# Altium PCB PCB_ZU.PcbDoc
Units mm, origin at the board's own origin, x right, y up, seen from the top; angles counter-clockwise.
Board outline 100 x 70 mm, 2 copper layers (Top Layer, Bottom Layer); 89 components, 59 nets, 275 pads, 343 vias.
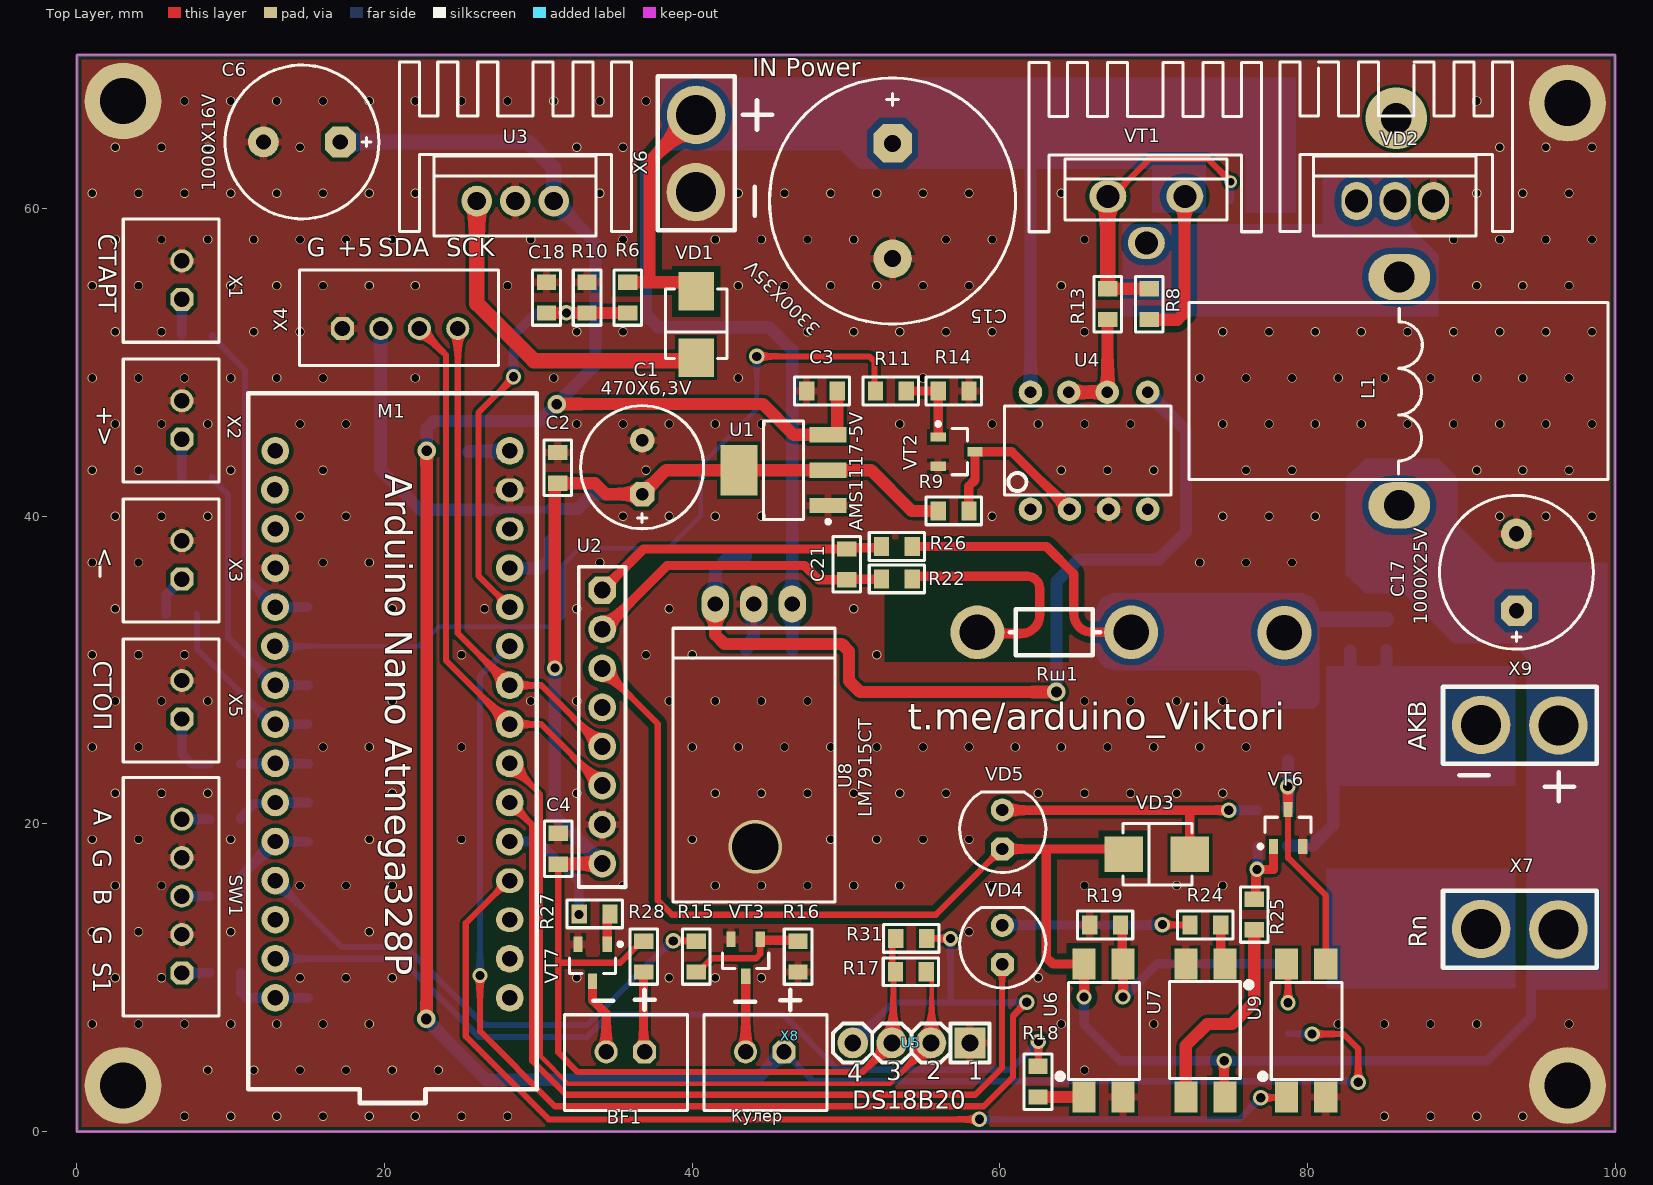
[diagram p0: Top Layer view]
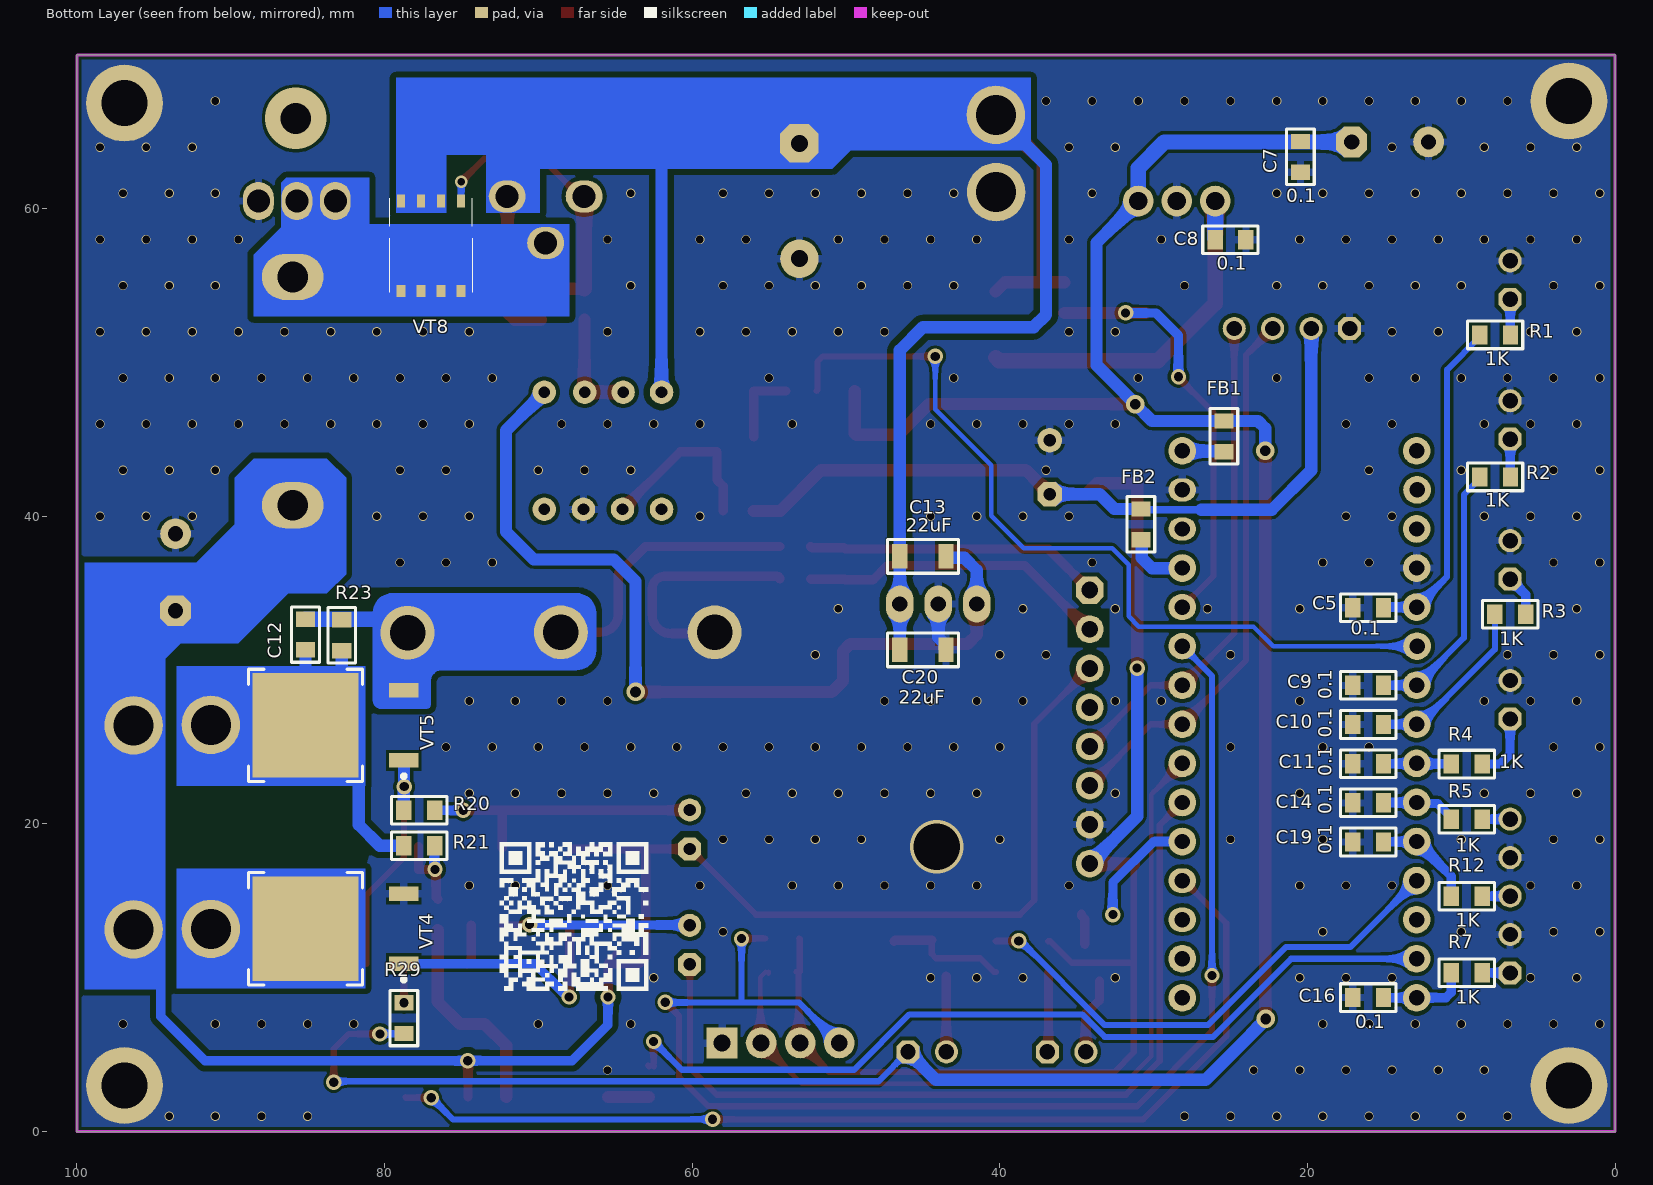
[diagram p1: Bottom Layer view, seen from below]
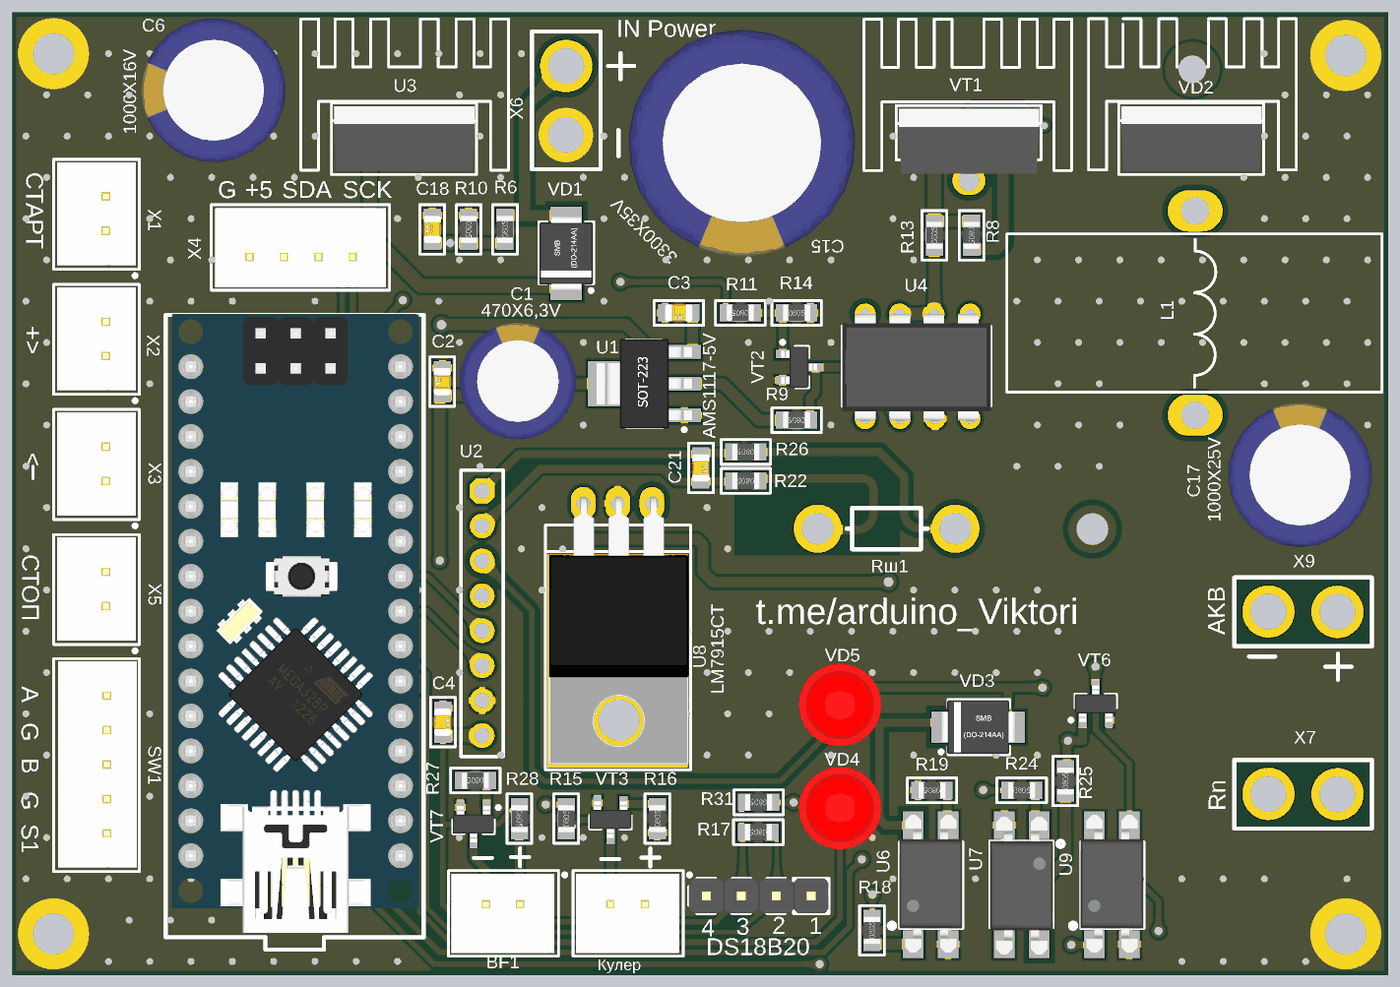
[diagram p2: 3D render of the assembled board from above, using the file's embedded part models]
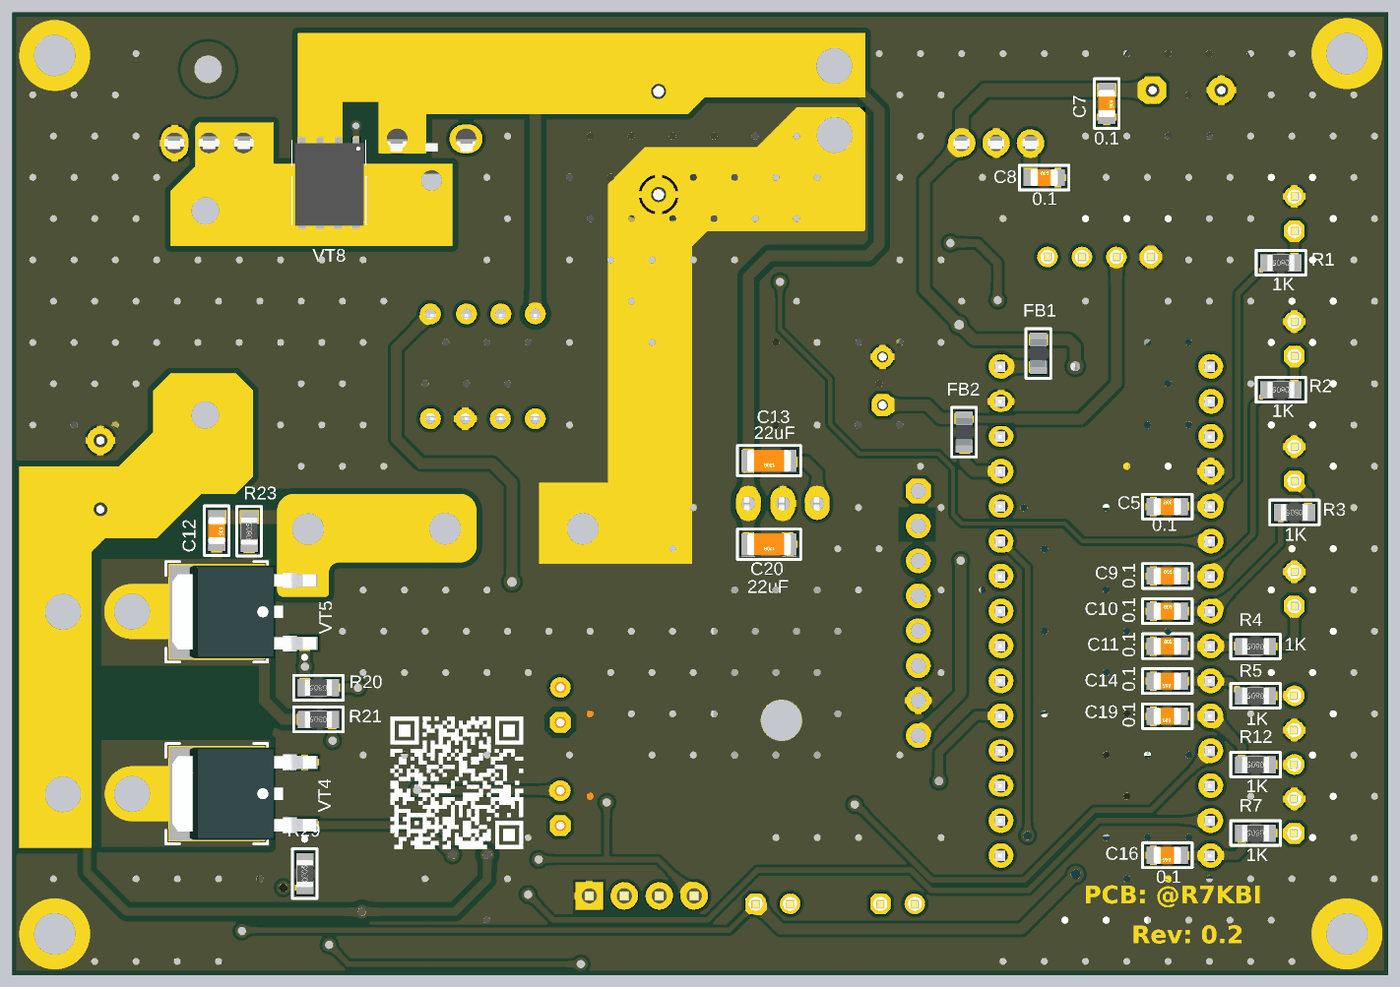
[diagram p3: 3D render of the assembled board from below, using the file's embedded part models]

## Layer stack, top to bottom
Top Solder: solder mask 0.0102, Solder Resist, Dk 3.5
Top Layer: signal copper 0.0356
Dielectric 1: dielectric 0.32, FR-4, Dk 4.8
Bottom Layer: signal copper 0.0356
Bottom Solder: solder mask 0.0102, Solder Resist, Dk 3.5

## Board outline
0,0 100,0 100,70 0,70

## Design rules (kind name [scope] priority, off if disabled: settings)
BoardOutlineClearance [All] p1: gap=0.3 ignorepadtopadclearanceinfootprint=FALSE
Clearance ZAZOR [InNetClass('ZAZOR')] p1: gap=0.4 ignorepadtopadclearanceinfootprint=FALSE
Clearance POWER [InNetClass('POWER')] p2: gap=0.3 ignorepadtopadclearanceinfootprint=FALSE except(0: Arc-Hole Track-Hole SMDPad-Hole THPad-Hole Via-Hole Fill-Hole Poly-Hole Region-Hole Text-Hole)
Clearance Clearance_NPTH [All vs InPadClass('NPTH')] p3: gap=0.4 ignorepadtopadclearanceinfootprint=FALSE except(0: Arc-Hole Track-Hole SMDPad-Hole THPad-Hole Via-Hole Fill-Hole Poly-Hole Region-Hole Text-Hole)
Clearance Clearance_MultiLayerPad [OnLayer('Multi-Layer') and IsPad] p4: gap=0.25 ignorepadtopadclearanceinfootprint=FALSE except(0: Arc-Hole Track-Hole SMDPad-Hole THPad-Hole Via-Hole Fill-Hole Poly-Hole Region-Hole Text-Hole)
Clearance Clearance_Polygon [InPolygon] p5: gap=0.2 ignorepadtopadclearanceinfootprint=FALSE except(0: Arc-Hole Track-Hole SMDPad-Hole THPad-Hole Via-Hole Fill-Hole Poly-Hole Region-Hole Text-Hole)
Clearance [All] p6: gap=0.15 ignorepadtopadclearanceinfootprint=FALSE except(0: Arc-Hole Track-Hole SMDPad-Hole THPad-Hole Via-Hole Fill-Hole Poly-Hole Region-Hole Text-Hole)
Height [All] p1: minheight=0 maxheight=60 prefheight=12.7
HoleSize [All] p1: absolutevalues=TRUE maxlimit=5 minlimit=0.025 maxpercent=80.000 minpercent=20.000
HoleToHoleClearance [All] p1: gap=0.2 allowstackedmicrovias=TRUE
MinimumSolderMaskSliver [All] p1: minsoldermaskwidth=0.05
PlaneClearance [All] p1: clearance=0.5
PlaneConnect [All] p1: planeconnectstyle=Relief reliefexpansion=0.5 reliefentries=4 reliefconductorwidth=0.3 reliefairgap=0.2
PolygonConnect PolygonConnect_PowerPAD [All vs InPadClass('PowerPAD')] p1: connectstyle=Relief reliefconductorwidth=1 reliefentries=4 polygonreliefangle="90 Angle" airgapwidth=0.3
PolygonConnect PolygonConnect_PadGND [InNet('GND') and IsPad] p2: connectstyle=Relief reliefconductorwidth=0.5 reliefentries=4 polygonreliefangle="90 Angle" airgapwidth=0.2
PolygonConnect PolygonConnect_Via [IsVia] p3: connectstyle=Direct reliefconductorwidth=0.254 reliefentries=4 polygonreliefangle="90 Angle" airgapwidth=0.254
PolygonConnect [All] p4: connectstyle=Relief reliefconductorwidth=0.6 reliefentries=4 polygonreliefangle="90 Angle" airgapwidth=0.3
RoutingVias [All] p1: holewidth=0.3 width=0.7 viastyle="Through Hole" minholewidth=0.3 minwidth=0.6 maxholewidth=3.2 maxwidth=5
SilkToSilkClearance [All] p1: silktosilkclearance=0
SilkToSolderMaskClearance [IsPad] p1: minsilkscreentomaskgap=0.05 clearancetoexposedcopper=FALSE
SolderMaskExpansion [All] p1: expansion=0.075 istentingtop=FALSE
Width [All] p1: maxlimit=10 minlimit=0.15 preferedwidth=0.2
22 further rules are at their usual default settings.

## Classes and differential pairs
net class ZAZOR: Net_D Net_S NetC12_1 NetC12_2 NetVT4_2 VBS

## Components (designator, comment, footprint, x,y, rotation, side; value= is the part's Value field where it differs from the comment)
BF1 "SPEAKER" "CON: CWF-2" 35.658,5.186 r180 top
C1 "470X6,3V" D8C3.5H12 36.749,43.195 r90 top
C2 "0.1" CH0805C 31.256,43.152 r90 top
C3 "0.1" CH0805C 48.439,48.149 r180 top
C4 "0.1" CH0805C 31.293,18.389 r270 top
C5 "0.1" CH0805C 16.056,34.063 r180 bottom
C6 "1000X16V" D10C5H20 14.63,64.339 r180 top
C7 "0.1" CH0805C 20.459,63.371 r270 bottom
C8 "0.1" CH0805C 25.006,57.985 r180 bottom
C9 "0.1" CH0805C 16.056,29.013 r180 bottom
C10 "0.1" CH0805C 16.056,26.467 r180 bottom
C11 "0.1" CH0805C 16.056,23.92 r180 bottom
C12 "0.1" CH0805C 85.139,32.316 r270 bottom
C13 "22uF" CH1206C 45,37.4 r0 bottom
C14 "0.1" CH0805C 16.056,21.374 r0 bottom
C15 "3300X35V" D16C7.5H25 53.026,60.5 r270 top
C16 "0.1" CH0805C 16.056,8.713 r0 bottom
C17 "1000X25V" D10C5H20 93.588,36.365 r90 top
C18 "0.1" CH0805C 30.527,54.224 r90 top
C19 "0.1" CH0805C 16.056,18.828 r0 bottom
C20 "22uF" CH1206C 45,31.322 r0 bottom
C21 "470p" CH0805C 50.049,36.879 r270 top
FB1 "BLM21" CH0805L 25.431,45.199 r90 bottom
FB2 "BLM21" CH0805L 30.827,39.479 r90 bottom
L1 "0.04мГн" POWER_L 85.968,48.144 r270 top
M1 "Arduino NANO" "ARDUINO NANA" 12.9,44.26 r0 top
R1 "1K" CH0805R 7.803,51.794 r0 bottom
R2 "1K" CH0805R 7.803,42.564 r0 bottom
R3 "1K" CH0805R 6.815,33.643 r0 bottom
R4 "1K" CH0805R 9.647,23.893 r0 bottom
R5 "1K" CH0805R 9.647,20.314 r0 bottom
R6 "10K" CH0805R 35.809,54.224 r90 top
R7 "1K" CH0805R 9.647,10.331 r0 bottom
R8 "10k" CH0805R 69.712,53.794 r270 top
R9 "470" CH0805R 56.999,40.354 r180 top
R10 "1K" CH0805R 33.168,54.224 r270 top
R11 "1k" CH0805R 52.915,48.149 r180 top
R12 "1K" CH0805R 9.647,15.303 r0 bottom
R13 "10" CH0805R 67.015,53.794 r90 top
R14 "10k" CH0805R 56.999,48.149 r0 top
R15 "100" CH0805R 40.261,11.38 r90 top
R16 "10K" CH0805R 46.885,11.38 r90 top
R17 "4,7k" CH0805R 54.22,10.396 r180 top
R18 "300" CH0805R 62.48,3.252 r90 top
R19 "4.7k" CH0805R 66.842,13.432 r180 top
R20 "1k" CH0805R 77.747,20.893 r0 bottom
R21 "4.7k" CH0805R 77.747,18.593 r0 bottom
R22 "10" CH0805R 53.311,35.936 r180 top
R23 "4.7k" CH0805R 82.783,32.273 r90 bottom
R24 "200" CH0805R 73.361,13.432 r0 top
R25 "10k" CH0805R 76.538,14.113 r90 top
R26 "10" CH0805R 53.311,38.037 r180 top
R27 "1k" CH0805R 33.661,14.153 r180 top
R28 "100" CH0805R 36.855,11.38 r270 top
R29 "10K" CH0805R 78.742,7.383 r90 bottom
R31 "10k" CH0805R 54.244,12.563 r180 top
Rш1 "0.01" "HUNT 10mm" 68.538,32.461 r180 top
SW1 "PEC12" "CON: CWF-5" 6.825,17.815 r90 top
U1 "AMS1117-5V" SOT223 45.939,43.004 r180 top
U2 "INA226 board" "CON: PBS-8" 34.153,26.309 r270 top
U3 "LM7812" TO220_123 28.5,60.5 r0 top
U4 "HCPL-3120" DIP-8 61.99,40.455 r0 top
U5 "DS18B20" "CON: PLS-4" 54.248,5.766 r180 top
U6 "PC817" PC817-SMD 66.748,6.571 r0 top
U7 "PC817" PC817-SMD 73.361,6.571 r180 top
U8 "LM7915CT" TO-220_90 44,34.3 r180 top
U9 "PC817" PC817-SMD 79.918,6.571 r0 top
VD1 "RS2M" SMB 40.262,52.474 r270 top
VD2 "MBR1645" TO-220_2PIN 85.699,60.5 r0 top
VD3 "RS2M" SMB 70.204,18.032 r180 top
VD4 "GNL-3012ED" "DIOD: LED5MM_R" 60.165,12.143 r90 top
VD5 "GNL-3012ED" "DIOD: LED5MM_R" 60.165,19.644 r90 top
VT1 "IRF4905" TO220_123_V 70.025,60.5 r0 top
VT2 "BC847" SOT23_123 57.189,44.206 r0 top
VT3 "AO3400A" SOT23_132 43.477,11.305 r270 top
VT4 "IRFR3709Z" D2PAK 81.939,13.189 r0 bottom
VT5 "IRFR3709Z" D2PAK 81.939,26.413 r0 bottom
VT6 "BC847" SOT23_123 78.742,19.739 r90 top
VT7 "BC847" SOT23_123 33.527,10.985 r270 top
VT8 "AON6407" DFN5x6 77.05,57.575 r0 bottom
X1 "SW1 \"Старт\"" "CON: CWF-2" 6.825,55.361 r90 top
X2 "SW2 \"+>\"" "CON: CWF-2" 6.825,46.267 r90 top
X3 "SW3 \"<-\"" "CON: CWF-2" 6.825,37.172 r90 top
X4 "I2C LCD 1602\2004" "CON: CWF-4" 21.012,52.214 r0 top
X5 "SW4 \"Стоп\"" "CON: CWF-2" 6.825,28.078 r90 top
X6 "IN +24V" "CON: 2P_5mm" 40.262,66.1 r270 top
X7 "Нагрузка" "CON: 2P_5mm" 96.307,13.15 r180 top
X8 "\"Кулер 12В\"" "CON: CWF-2" 44.72,5.186 r180 top
X9 "АКБ" "CON: 2P_5mm" 96.307,26.413 r180 top

## Footprints (in the part's own frame and the unit in brackets; to place one, negate y for a bottom-side part, rotate by r counter-clockwise, add the part's x,y. Pads: shape width x height; smd on the part's side, far side on the other; paste and mask are expansions set on the pad)
"ARDUINO NANA" [mm]
  round 1.8 hole 1: 1(0,0) 2(-0.026,-2.54) 3(0,-5.08) 4(0,-7.62) 5(0,-10.16) 6(-0.026,-12.7) 7(0,-15.24) 8(0,-17.78) 9(0,-20.32) 10(0,-22.86) 11(0,-25.4) 12(0,-27.94) 13(0,-30.48) 14(0,-33.02) 15(0,-35.56) 16(15.24,-35.56) 17(15.24,-33.02) 20(15.24,-25.4) 21(15.24,-22.86) 22(15.24,-20.32) 23(15.24,-17.78) 24(15.24,-15.24) 27(15.24,-7.62) 30(15.24,0)
  oval 1.8x1.6 hole 1: 18(15.24,-30.48) 19(15.24,-27.94)
  oval 1.8x1.7 hole 1: 25(15.24,-12.7) 26(15.24,-10.16)
  oval 1.8x1.5 hole 1: 28(15.24,-5.08) 29(15.24,-2.54)
  silkscreen extent -1.75,-42.4 17.01,3.75, body extent -1.3,-41.2 16.7,3.8, height 14.1
CH0805C [mm] "Chip Capacitor, 2-Leads, Body 2,00x1,20mm, IPC Medium Density"
  rect 1x1.25 smd: 1(-1,0) 2(1,0)
  silkscreen extent -1.8,-0.9 1.8,0.9, body extent -1,-0.62 1,0.63, height 0.78
CH0805L [mm]
  rect 1x1.25 smd: 1(-1,0) 2(1,0)
  silkscreen extent -1.8,-0.9 1.8,0.9, body extent -1,-0.62 1,0.63, height 0.85
CH0805R [mm]
  rect 1x1.25 smd: 1(-1,0) 2(1,0)
  silkscreen extent -1.8,-0.9 1.8,0.9, body extent -1,-0.6 1,0.6, height 0.44
CH1206C [mm] "Non polar chip capacitor, size 1206"
  rect 1x1.6 smd: 1(-1.5,0) 2(1.5,0)
  silkscreen extent -2.3,-1.1 2.3,1.1, body extent -1.6,-0.8 1.6,0.8, height 1
"CON: 2P_5mm" [mm]
  round 3.8 hole 2.6: 1(0,0) 2(5.02,-0.025)
  silkscreen extent -2.5,-2.5 7.5,2.5
"CON: CWF-2" [mm]
  oct 1.5x1.5 hole 1: 1(-1.25,0)
  round 1.5 hole 1: 2(1.25,0)
  round 0.5 on Mech1: 23(-3.2,-1.7)
  round 0.5 on Top Overlay: 24(-4.5,-2.1)
  silkscreen extent -4.04,-2.41 3.96,3.81, body extent -3.75,-2.18 3.75,3.57, height 7
"CON: CWF-4" [mm]
  oct 1.5x1.5 hole 1: 1(-3.75,0)
  round 1.5 hole 1: 2(-1.25,0) 3(1.25,0) 4(3.75,0)
  round 0.5 on Mech1: 30(-5.9,-1.8)
  silkscreen extent -6.54,-2.41 6.41,3.81, body extent -6.27,-2.19 6.13,3.56, height 7
"CON: CWF-5" [mm]
  oct 1.5x1.5 hole 1: 1(-7.5,0)
  round 1.5 hole 1: 2(-5,0) 3(-2.5,0) 4(0,0) 5(2.5,0)
  round 0.5 on Mech1: 30(-9.65,-1.8)
  silkscreen extent -10.29,-2.41 5.2,3.81, body extent -10,-2.25 5,3.5, height 7
"CON: PBS-8" [mm] "PBS-8"
  oct 1.8x1.8 hole 1.1: 1(-8.89,0)
  round 1.8 hole 1.1: 2(-6.35,0) 3(-3.81,0) 4(-1.27,0) 5(1.27,0) 6(3.81,0) 7(6.35,0) 8(8.89,0)
  silkscreen extent -10.41,-1.52 10.41,1.52
"CON: PLS-4" [mm] "PLS-40 4 pin header"
  rect 2x2 hole 1.1: 1(-3.81,0)
  round 2 hole 1.1: 2(-1.27,0) 3(1.27,0) 4(3.81,0)
  silkscreen extent -5.08,-1.27 5.08,1.27, body extent -5.08,-1.27 5.08,1.27, height 8.54
D2PAK [mm] "D-PAK, 3-Pads, Body 6,2x6,7mm (max), IPC Medium Density"
  rect 1.9x0.95 smd: 1(-3.191,2.28) 3(-3.191,-2.28)
  rect 6.9x6.8 smd: 2(3.191,0)
  silkscreen extent -3.32,-3.65 6.9,3.65, body extent -4.02,-3.36 6.43,3.37, height 2.39
D8C3.5H12 [mm] "Polar capacitor, diameter 8 mm, leads clearance 3.5 mm, height 12 mm"
  oct 1.6x1.6 hole 0.8: 1(-1.75,0)